# Allegro board BRD-05058-01_B04.brd (continued)
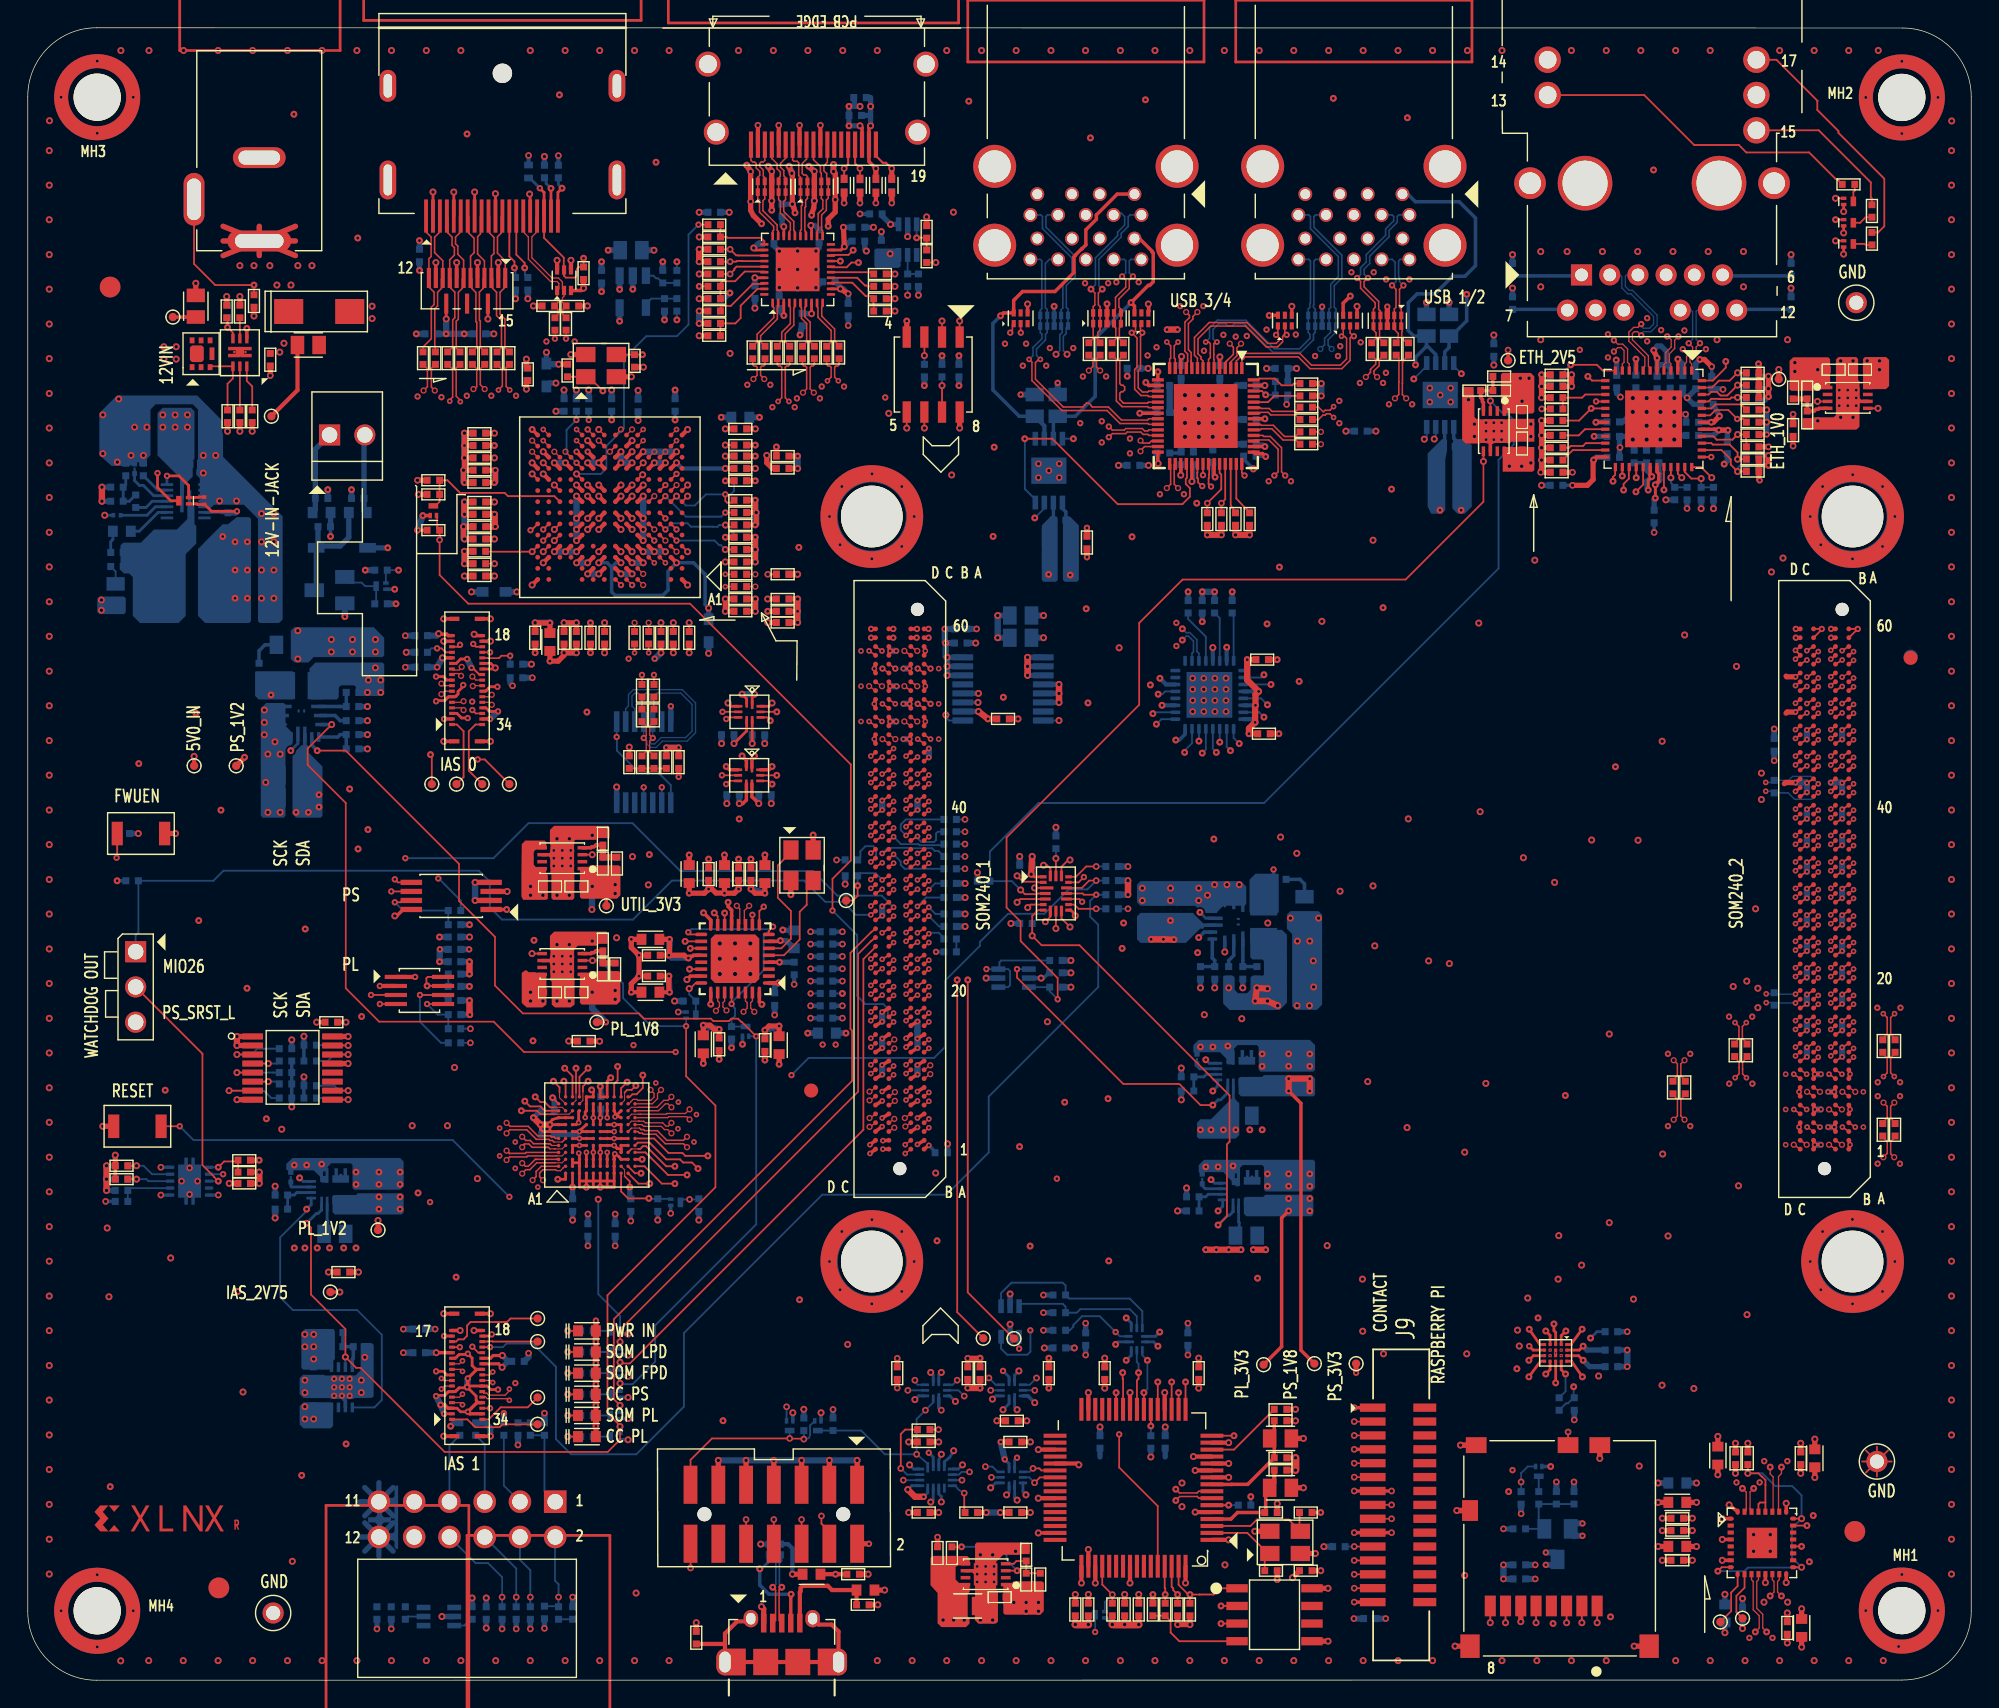
[diagram p0: board, top side]
## Routing (per net, layer and track width the routed paths; a pad name or vN(x,y) marks a point on that pad's centre or on a via; arc(x,y) is an arc through that point) (continued)
PS_3V3_FB: length 3
  BOTTOM w0.254: R1.2 R2.1 87.53,51.83 87.53,51.84 U1.10
PS_3V3_MODE: length 3.1
  BOTTOM w0.254: R4.2 R5.1 85.51,51.83 85.33,52.01 U1.13
PS_3V3_PGOOD: length 25.7
  L12_SIG w0.102: v2(69.06,51.21) 69.66,51.21 70.18,50.69 72.41,50.69 73.18,51.45 74.94,51.45 74.97,51.41 82.28,51.41 v6(84.35,53.48)
  BOTTOM w0.132: U70.3 70,51.29 70,51.7 70.13,51.83 R243.2 ; U70.3 v2(69.06,51.21) ; U70.3 70.62,51.21 70.76,51.07 70.76,50.05 70.62,49.91 U70.1
  BOTTOM w0.254: U1.14 84.74,53.87 v6(84.35,53.48)
PS_3V3_RAMP: length 2
  BOTTOM w0.254: U1.11 86.88,52.2 86.51,51.83 C5.2
PS_3V3_SW: length 8.6
  L12_SIG w0.254: v2(89.74,58.38) 86.66,55.3 v6(84.44,55.3)
  BOTTOM w0.203: v6(84.44,55.3) 84.86,54.87 U1.16
  BOTTOM w0.254: C321.1 v2(89.74,58.38)
PS_ERROR_OUT_M2C: length 31.6
  TOP w0.132: v6(66.95,50.43) 66.95,26.51 TP38.1 ; JA1.B24 v3(64.09,53.15)
  L10_SIG w0.102: v6(66.95,50.43) 66.95,51.24 66.14,52.05 65.24,52.05 65.07,52.22 65.02,52.22 v3(64.09,53.15)
PS_ERROR_STATUS_M2C: length 35.3
  TOP w0.132: JA1.B25 v3(63.27,53.21) ; v6(67.71,50.43) 67.71,27.93 TP39.1
  L10_SIG w0.102: v6(67.71,50.43) 67.71,52.08 65.42,54.37 64.11,54.37 63.72,53.98 63.72,53.66 v3(63.27,53.21)
PS_POR_B: length 187.8
  TOP w0.127: v2(57.97,55.43) 57.97,57.71 59.29,59.03 59.29,65.94 47.71,77.52 31.74,77.52 29.67,79.59 v1(29.67,82.12) R269.2 29.49,82.99 29.49,83.82 Q22.2
  TOP w0.132: JA1.C15 v3(62.37,47.41) ; U19.18 74.46,58.58 74.95,59.07 v4(75.08,59.07)
  L05_SIG w0.102: v4(75.08,59.07) 74.03,60.12 68.01,60.12 67.69,59.8 67.34,59.8 66.78,60.35 60.56,60.35 60.08,59.87 60.08,58.85 60.84,58.09 64.91,58.09 65.34,57.67 65.34,57.41 67.06,55.68 67.06,54.13 67.8,53.39 69.38,53.39 69.48,53.29 69.48,53.27 70.67,52.07 70.67,29.34 72.22,27.79 v2(72.22,25.19)
  L10_SIG w0.102: v4(75.08,59.07) 75.08,55.82 73.73,54.47 73.73,54.45 73.56,54.27 73.56,52.69 69.75,48.89 63.5,48.89 62.79,48.17 62.79,47.82 v3(62.37,47.41)
  L12_SIG w0.102: v2(72.22,25.19) 72.95,25.92 74.6,25.92 75.48,26.8 95.29,26.8 v2(106.96,15.13)
  BOTTOM w0.132: U23.6 70.11,23.88 70.55,23.44 72.01,23.44 72.23,23.66 72.23,25.19 v2(72.22,25.19) ; v3(62.37,47.41) 61.96,47.82 61.96,48.36 61.63,48.69 60.33,48.69 59.75,49.28 59.75,53.65 v2(57.97,55.43)
PS_SRST_C2M_B: length 152.7
  TOP w0.127: J3.14 v1(47.74,8.08)
  TOP w0.132: JA1.C16 v3(62.37,48.04)
  L03_SIG w0.102: v3(62.37,48.04) 61.92,47.59 61.92,47.28 61.11,46.47 61.11,45.43 59.18,43.5 56.64,43.5 56.2,43.07 47.55,43.07 46.28,44.34 44.35,44.34 43.89,43.88 43.89,43.37 44.25,43.02 44.25,42.2 44.96,41.49 44.96,36.55 44,35.6 44,32.38 41.85,30.22 29.43,30.22 26.03,33.62 26.03,41.72 23.8,43.96 19.43,43.96 16,47.39 J1.3 ; v2(74.13,36.12) 74.13,28.1 71.41,25.38 v2(71.41,23.88) 61.36,23.88 58.9,21.42 55.15,21.42 51.03,17.31 51.03,11.37 v1(47.74,8.08)
  L12_SIG w0.102: v2(74.13,36.12) 74.13,39.95 67.38,46.71 63.25,46.71 62.9,47.05 62.9,47.51 v3(62.37,48.04)
  BOTTOM w0.132: U23.4 v2(71.41,23.88)
PWRGD_FPD_M2C: length 38.7
  TOP w0.127: v4(42.67,22.9) 42.75,22.81 43.37,22.81 60.2,39.64 60.2,51.93 61.07,52.81 JA1.D24
  BOTTOM w0.132: Q7.1 v4(42.67,22.9)
PWRGD_LPD_M2C: length 37.3
  TOP w0.127: 60.73,53.21 59.82,52.3 59.82,42.39 42.67,25.24 v4(42.67,24.37)
  TOP w0.132: JA1.D25 60.73,53.21
  BOTTOM w0.132: Q17.1 v4(42.67,24.37)
PWRGD_PL_M2C: length 42.9
  TOP w0.127: v4(42.67,19.8) 42.22,20.24 42.22,26 59.38,43.16 59.38,46.78 59.27,46.9 59.27,52.38 60.73,53.85
  TOP w0.132: 60.73,53.85 JA1.D26
  BOTTOM w0.132: Q9.1 v4(42.67,19.8)
PWROFF_C2M_B: length 145.3
  TOP w0.132: C207.1 v6(16.3,100.47) 13.5,100.47 11.98,102 J12.3 ; JA1.B26 v3(63.27,53.85) ; v4(40.66,59.45) U7.3
  TOP w0.203: Q21.3 10.3,84.94 9.35,85.89 v2(9.35,86.93)
  L03_SIG w0.102: v4(41.1,34.63) 40.69,35.04 40.69,36.13 39.29,37.52 39.29,42.84 39.93,43.47 39.93,58.71 v4(40.66,59.45) ; v2(9.35,86.93) 12.62,90.21 12.62,96.35 14.84,98.57 15.01,98.57 16.3,99.85 v6(16.3,100.47)
  L05_SIG w0.102: v2(9.35,86.93) 9.35,81.62 14.84,76.13 24.55,76.13 24.71,75.96 32.56,75.96 33.25,75.27 34.01,75.27 35.3,73.98 35.3,73.34 36.04,72.61 36.52,72.61 36.76,72.36 36.76,71.88 38.48,70.17 38.48,62.07 40.66,59.88 v4(40.66,59.45) 41.68,58.43 53.95,58.43 56.51,55.87 58.29,55.87 60.34,53.82 60.34,53.08 60.72,52.7 60.72,52.7 60.82,52.59 62.74,52.59 62.89,52.74 62.89,53.46 63.27,53.84 v3(63.27,53.85)
  BOTTOM w0.132: v4(41.1,34.63) 41.1,27.8 42.67,26.23 Q6.1
RPI_ENABLE: length 67
  TOP w0.127: v2(75.95,56.06) 75.76,56.26 U19.13 ; J9.11 v1(95.56,9.63)
  L03_SIG w0.102: v1(95.56,9.63) 96,9.18 98.69,9.18 100.26,10.75 100.26,19.59 97.01,22.85 92.08,22.85 79.22,35.7 79.22,36.74 75.95,40.01 v2(75.95,56.06)
  BOTTOM w0.132: v1(95.56,9.63) 95.55,9.62 R259.2
RPI_I2C_SCK: length 117.4
  TOP w0.127: J9.13 v1(95.56,7.63)
  TOP w0.132: U18.10 v4(23.08,42.46)
  L03_SIG w0.102: v1(95.56,7.63) 91.1,3.17 77.36,3.17 77.21,3.02 75.83,3.02 75.37,3.47 51.15,3.47 45.98,8.65 45.98,9.94 40.39,15.53 22.51,15.53 18.44,19.6 18.44,37.61 19.71,38.88 20.83,38.88 23.54,41.59 23.54,41.99 v4(23.08,42.46)
  BOTTOM w0.132: R64.2 22.08,42.81 22.44,42.46 v4(23.08,42.46)
RPI_I2C_SDA: length 117.6
  TOP w0.127: J9.14 v1(95.56,6.63)
  TOP w0.132: U18.9 v4(23.08,41.81)
  L03_SIG w0.102: v1(95.56,6.63) 91.49,2.56 50.92,2.56 45.04,8.44 45.04,8.95 39.4,14.59 22.2,14.59 17.17,19.62 17.17,37.23 19.45,39.51 20.78,39.51 v4(23.08,41.81)
  BOTTOM w0.132: R59.2 21.24,41.92 21.35,41.81 v4(23.08,41.81)
SD_RESET_B: length 69.4
  TOP w0.132: v4(73.18,58.69) 73.43,58.69 73.66,58.45 U19.20
  L03_SIG w0.102: v1(107.58,14.28) 106.44,14.28 105.29,15.43 105.29,18.47 91.83,31.93 85.58,31.93 79.76,37.75 79.76,56.75 79.45,57.06 78.68,57.06 77.66,58.08 76.58,58.08 76.32,58.34 73.52,58.34 v4(73.18,58.69)
  BOTTOM w0.132: Q15.1 108.05,15.39 107.58,14.91 v1(107.58,14.28) R273.2
SDIO1_CLK: length 29.6
  TOP w0.132: J11.5 v4(108.65,4.14)
  L02_GND w0.127: v6(107.27,22.43) 108.72,22.43 v7(109.67,23.37)
  L03_SIG w0.102: v6(107.27,22.43) 107.27,15.96 108.61,14.62 108.61,11.67 104.52,7.58 104.52,3.75 104.93,3.34 107.85,3.34 v4(108.65,4.14)
SDIO1_CMD: length 28.5
  TOP w0.132: J11.3 v4(110.85,4.14)
  TOP w0.203: U38.C4 v6(110.07,21.41)
  L03_SIG w0.102: v6(110.07,21.41) 113.8,17.68 113.8,12.1 113.9,12 114.1,12 114.2,11.9 114.2,11.49 114.1,11.39 113.9,11.39 113.8,11.29 113.8,10.88 113.9,10.78 114.1,10.78 114.2,10.68 114.2,10.27 114.1,10.17 113.9,10.17 113.8,10.07 113.8,9.67 113.9,9.56 114.1,9.56 114.2,9.46 114.2,9.06 114.1,8.95 113.9,8.95 113.8,8.85 113.8,8.45 113.9,8.34 114.1,8.34 114.2,8.24 114.2,7.84 114.1,7.73 113.9,7.73 113.8,7.63 113.8,7.09 113.09,6.38 112.95,6.38 112.41,6.92 112.27,6.92 111.98,6.64 111.98,6.49 112.52,5.95 112.52,5.81 112.23,5.52 112.09,5.52 111.55,6.06 111.4,6.06 111.12,5.77 111.12,5.63 111.66,5.09 111.66,4.95 v4(110.85,4.14)
SDIO1_DATA0: length 29.4
  TOP w0.132: J11.7 v4(106.45,4.14)
  TOP w0.203: U38.D4 109.67,22.36 v6(109.35,22.05)
  L03_SIG w0.102: v4(106.45,4.14) 107.68,5.37 107.82,5.37 108.16,5.04 108.3,5.04 108.59,5.32 108.59,5.47 108.25,5.8 108.25,5.94 108.54,6.23 108.69,6.23 109.02,5.9 109.16,5.9 109.45,6.18 109.45,6.33 109.12,6.66 109.12,6.8 109.4,7.09 109.55,7.09 109.88,6.76 110.02,6.76 110.31,7.05 110.31,7.19 109.98,7.52 109.98,7.67 110.62,8.31 110.62,8.67 110.73,8.77 111.22,8.77 111.32,8.87 111.32,9.28 111.22,9.38 110.73,9.38 110.62,9.48 110.62,10.72 112.91,13 112.91,14.97 108.64,19.24 108.64,21.33 v6(109.35,22.05)
SDIO1_DATA1: length 29.7
  TOP w0.132: J11.8 v4(105.35,4.14)
  TOP w0.203: U38.E4 108.97,22.97 v6(108.14,21.85)
  L03_SIG w0.102: v6(108.14,21.85) 108.14,16.36 109.4,15.1 109.4,13.47 109.5,13.37 111.74,13.37 111.84,13.27 111.84,12.87 111.74,12.76 109.5,12.76 109.4,12.66 109.4,11.47 108.76,10.82 108.76,10.68 109.1,10.34 109.1,10.2 108.81,9.91 108.67,9.91 108.33,10.25 108.18,10.25 107.9,9.96 107.9,9.82 108.23,9.48 108.23,9.34 107.95,9.05 107.8,9.05 107.46,9.39 107.32,9.39 106.89,8.95 106.89,5.67 v4(105.35,4.14)
SDIO1_DATA2: length 29.3
  TOP w0.132: J11.1 v4(113.05,4.14)
  TOP w0.203: v6(111.99,21.85) 111.21,22.97 U38.A4
  L03_SIG w0.102: v4(113.05,4.14) 118.46,4.14 119.23,4.91 119.23,14.61 v6(111.99,21.85)
SDIO1_DATA3: length 31.7
  TOP w0.132: J11.2 v4(111.95,4.14)
  TOP w0.203: v6(110.78,22.05) 110.47,22.36 U38.B4
  L03_SIG w0.102: v4(111.95,4.14) 114.24,6.43 114.38,6.43 115.5,5.31 115.65,5.31 115.93,5.59 115.93,5.74 114.81,6.86 114.81,7 115.14,7.33 115.14,9.06 115.24,9.16 115.65,9.16 115.75,9.26 115.75,9.66 115.65,9.77 115.24,9.77 115.14,9.87 115.14,10.27 115.24,10.38 115.65,10.38 115.75,10.48 115.75,10.88 115.65,10.99 115.24,10.99 115.14,11.09 115.14,11.49 115.24,11.6 115.65,11.6 115.75,11.7 115.75,12.1 115.65,12.2 115.24,12.2 115.14,12.31 115.14,17.94 111.57,21.52 111.57,21.75 111.26,22.05 v6(110.78,22.05)
  BOTTOM w0.132: R247.2 110.78,20.8 v6(110.78,22.05)
SDIO_CLK_FB_NC: length 1.2
  TOP w0.203: U38.E2 108.44,23.77 v2(108.16,24.06)
SDIO_VCCB: length 4.9
  L02_GND w0.279: v7(110.47,23.37) 111.36,22.48 v6(111.36,21.14)
  BOTTOM w0.132: R247.1 110.82,19.94 110.96,19.94 111.35,20.34 C178.1 111.36,20.39 v6(111.36,21.14)
SDIO_VDD: length 4.6
  BOTTOM w0.305: 110.12,8.7 Q14.3
  BOTTOM w0.381: C368.2 v1(106.31,10.9)
  BOTTOM w0.432: v2(109.35,9.2) 109.99,9.2 109.99,8.7 110.12,8.7 110.12,8.31 v2(109.35,8.31) ; C177.1 v1(108.59,8.31) ; C369.1 v1(108.59,7.29)
SI5332_SCLK_NC: length 1.4
  TOP w0.127: U17.9 52.7,55.39 v2(53.02,55.7)
SI5332_SDA_NC: length 0.7
  TOP w0.127: U17.10 v2(52.2,55.12)
SI5332_VCCO2_NC: length 0.6
  TOP w0.132: U40.20 v6(127.78,9.64)
SI5332_VCCO3_NC: length 1
  TOP w0.132: U40.23 v6(128.17,11.14)
SI5332_XA: length 7.5
  TOP w0.127: X3.3 56.12,57.13 56.12,55.85 55.61,55.34 55.61,53.34 54.47,52.21 U17.5 53.2,52.21
SI5332_XB: length 9
  TOP w0.127: X3.1 54.98,59.62 54.03,58.68 54.03,56.34 54.97,55.4 54.97,53.39 54.29,52.71 U17.6
SOM240_1_C45_NC: length 0.4
  TOP w0.132: JA1.C45 v3(62.37,66.46)
SOM240_1_D46_NC: length 0.4
  TOP w0.132: JA1.D46 v3(60.73,66.55)
SOM_5V0: length 13.5
  TOP w0.254: JA1.A59 v2(64.89,75.07) ; JA1.C59 v2(62.35,75.07) ; JA1.A60 v2(64.89,75.71) ; JA1.B60 v2(64.06,75.71) ; JA1.C60 v2(62.35,75.71) ; JA1.D60 v2(60.75,75.71)
  BOTTOM w0.381: U14.16 v4(66.22,73.66) ; U14.15 v4(66.22,73.01) ; U14.14 v4(66.22,72.36)
  BOTTOM w0.432: C324.1 v4(66.13,74.69) ; C323.1 v1(66.06,75.71) ; C354.1 v4(69.87,75.07) ; C353.1 v4(69.87,76.67)
  BOTTOM w0.457: v1(66.06,75.71) 66.06,74.75 v4(66.13,74.69) 66.13,73.76 v4(66.22,73.66) v4(66.22,73.01) v4(66.22,72.36) ; v4(69.87,76.67) v4(69.87,75.07)
SOM_DP_AUX_IN_LS: length 8.5
  TOP w0.127: U28.4 v2(50.01,65.17)
  L05_SIG w0.102: v2(50.01,65.17) 48.43,65.17 48.15,65.45 45.52,65.45 v2(44.37,64.3)
  BOTTOM w0.132: U29.4 v2(44.37,64.3)
SOM_DP_AUX_OUT_LS: length 6.8
  TOP w0.127: v2(50.32,64.53) 50.55,64.77 U28.5
  L05_SIG w0.102: v2(50.32,64.53) 48.38,64.53 48.15,64.3 v2(45.67,64.3)
  BOTTOM w0.132: U29.2 v2(45.67,64.3)
SOM_DP_HPD_LS: length 17.8
  TOP w0.127: U30.4 v2(50.05,69.74)
  TOP w0.132: U27.F4 v5(45.13,82.87) ; R174.1 v4(45.62,76.15)
  L03_SIG w0.102: v2(50.05,69.74) 47.04,72.75 47.04,74.73 v4(45.62,76.15) 45.62,79.01 44.73,79.9 44.73,82.46 v5(45.13,82.87)
SOM_DP_OE_LS: length 17.6
  TOP w0.127: v2(50.32,69.22) 50.32,69.22 50.32,69.23 50.42,69.34 U30.5
  L05_SIG w0.102: v2(50.32,69.22) 43.72,69.22 v2(42.42,67.93)
  BOTTOM w0.132: U29.1 46.32,64.46 45.36,65.42 43.97,65.42 42.44,66.94 42.44,67.91 v2(42.42,67.93) U29.8
STDP4320_AVDD12_OSC: length 3.8
  TOP w0.132: U27.L13 v4(37.13,87.67)
  TOP w0.305: U27.M6 v4(43.53,88.47)
  TOP w0.381: C258.1 v4(33.62,89.8)
  BOTTOM w0.381: v4(38.05,93.41) 37.6,93.41 L12.1 ; C257.1 v4(43.97,90.72)
  BOTTOM w0.432: C258.1 v4(33.62,89.8)
STDP4320_DVDD25_SM: length 16.1
  TOP w0.127: v1(53.31,79.64) 53.31,79.64 ; U27.K5 44.28,86.81 v4(44.3,86.81)
  TOP w0.132: C260.1 53.31,79.64
  L03_SIG w0.102: v4(44.3,86.81) 44.31,86.81 45.88,86.81 46.21,86.48 47.95,86.48 49.66,84.78 49.66,83.13 50.03,82.75 52.65,82.75 53.31,82.09 53.31,79.65 v1(53.31,79.64)
  BOTTOM w0.132: v1(53.31,79.64) C259.1
STDP4320_GPIO5_HDMI_OE_B: length 25.2
  TOP w0.132: U27.K10 v4(39.53,86.87) ; R185.1 v2(48.32,104.82)
  BOTTOM w0.132: v4(39.53,86.87) 41.29,86.87 41.68,87.26 41.68,88.88 42.95,90.15 42.95,95.18 44.56,96.79 46.76,96.79 47.6,97.63 47.6,104.1 v2(48.32,104.82)
STDP4320_GPIO6_HDMI_DDC_EN: length 44.2
  TOP w0.132: U27.E13 v2(37.13,82.07) ; R186.1 v6(48.37,100.38)
  L10_SIG w0.102: v6(48.37,100.38) 48.37,100.55 47.65,101.27 47.65,102.48 45.65,104.48 33.8,104.48 31.77,102.46 31.77,97.42 32.28,96.92 32.28,86.68 33.57,85.39 34.35,85.39 36.73,83.01 36.73,82.48 v2(37.13,82.07)
STDP4320_GPIO7_HDMI_PWR_ON: length 47
  TOP w0.132: v2(36.22,82.82) 36.28,82.82 U27.F14 ; R182.1 v4(65.41,102.1)
  L10_SIG w0.102: v4(65.41,102.1) 64.79,101.48 64.79,96.41 57.15,88.76 57.15,84.68 52.56,80.09 44.18,80.09 43.91,80.36 43.91,80.63 43.69,80.85 39.38,80.85 39.2,80.67 37.99,80.67 37.56,81.11 37.56,81.47 37.36,81.66 36.97,81.66 36.94,81.69 36.84,81.69 36.22,82.31 v2(36.22,82.82)
STDP4320_GPIO8_HDMI_PWR_FLT_B: length 39.4
  TOP w0.132: U27.E12 v4(37.93,82.07)
  L10_SIG w0.102: v4(63.38,99.74) 62.92,99.28 62.92,95.55 56.03,88.66 56.03,85.22 52.71,81.91 49.29,81.91 48.18,80.8 47.4,80.8 47.32,80.88 46.55,80.88 46.31,81.11 46.31,81.43 46.06,81.67 38.33,81.67 v4(37.93,82.07)
  BOTTOM w0.132: R183.1 v4(63.38,99.74)
STDP4320_GPIO10_DP_PWR_EN: length 36.3
  TOP w0.132: U27.F12 v4(37.93,82.87)
  L10_SIG w0.102: v6(46.76,97.97) 42.37,102.36 41.74,102.36 41.09,103.01 35.76,103.01 34.53,101.78 34.53,97.21 35.41,96.33 35.41,92.89 35.85,92.46 35.85,86.24 37.93,84.15 v4(37.93,82.87)
  BOTTOM w0.132: R197.1 v6(46.76,97.97)
STDP4320_GPIO11_DP_PWR_FAULT_B: length 37.6
  TOP w0.132: U27.F13 v2(37.13,82.87)
  L10_SIG w0.102: v6(46.76,102.15) 44.99,103.92 34.97,103.92 32.66,101.61 32.66,97.17 32.92,96.92 32.92,92.21 34.57,90.56 34.57,86.1 37.13,83.53 v2(37.13,82.87)
  BOTTOM w0.132: R198.1 v6(46.76,102.15)
STDP4320_GPIO12_DP_TX1_CONFIG1: length 26.8
  TOP w0.132: U27.H1 v4(47.53,85.27) ; v6(35.06,101.71) 35.06,102.16 34.69,102.53 J6.13
  L10_SIG w0.102: v4(47.53,85.27) 45.51,87.29 45.51,90.44 39.91,96.05 39.91,96.86 v6(35.06,101.71)
  BOTTOM w0.132: v6(35.06,101.71) 35.06,101.55 35.14,101.48 R203.1
STDP4320_GPIO13_DP_TX1_CONFIG2: length 31.9
  TOP w0.132: v6(35.8,101.71) 35.8,102.06 35.19,102.66 J6.14 ; U27.G3 v2(45.93,83.67)
  L10_SIG w0.102: v6(35.8,101.71) 36.47,101.71 41.37,96.81 43.94,96.81 48.19,92.57 48.19,84.95 46.9,83.67 v2(45.93,83.67)
  BOTTOM w0.132: v6(35.8,101.71) 35.82,101.68 35.82,101.22 R202.1
STDP4320_HOST_IRQ_OUT: length 7.4
  TOP w0.127: R146.2 50.7,84.8 50.38,84.8 50.25,84.92 v2(50.25,85.4)
  TOP w0.132: U27.H2 v4(46.73,85.27)
  BOTTOM w0.132: v4(46.73,85.27) 47.41,84.6 48.05,84.6 48.86,85.4 v2(50.25,85.4) 50.64,85.4 50.88,85.64 R154.1
STDP4320_RX0_LN0_N: length 5.6
  TOP w0.094: U27.B5 v5(44.33,79.67) ; C212.2 v5(44.73,76.15)
  L03_SIG w0.112: v5(44.73,76.15) 44.45,76.43 44.45,77.48 45.13,78.16 45.13,79.14 44.87,79.4 44.61,79.4 v5(44.33,79.67)
STDP4320_RX0_LN0_P: length 5.6
  TOP w0.094: U27.A5 v5(44.33,78.87) ; C211.2 v5(43.71,76.15)
  L03_SIG w0.112: v5(43.71,76.15) 44.08,76.15 44.19,76.27 44.19,77.59 44.88,78.27 44.88,79.03 44.76,79.14 44.45,79.14 44.33,79.03 v5(44.33,78.87)
STDP4320_RX0_LN1_N: length 6.8
  TOP w0.094: U27.C3 v3(45.93,80.47) ; C214.2 v3(50.25,79.64)
  L12_SIG w0.112: v3(45.93,80.47) 45.66,80.2 45.66,80.04 45.77,79.93 47.85,79.93 48.45,79.33 49.93,79.33 v3(50.25,79.64)
STDP4320_RX0_LN1_P: length 7.2
  TOP w0.094: U27.C4 v3(45.13,80.47) ; C213.2 v3(50.25,78.75)
  L12_SIG w0.112: v3(45.13,80.47) 45.41,80.2 45.41,79.93 45.67,79.67 47.74,79.67 48.34,79.07 49.93,79.07 v3(50.25,78.75)
STDP4320_SPDIF_OUT0: length 5
  TOP w0.132: R151.1 v4(50.25,81.42) ; U27.E2 v2(46.73,82.07)
  BOTTOM w0.132: v4(50.25,81.42) 49.93,81.74 49.81,81.74 49.48,82.07 v2(46.73,82.07)
STDP4320_SPDIF_OUT1: length 7.2
  TOP w0.132: R145.2 50.88,83.19 50.75,83.06 50.39,83.06 v4(50.26,83.19) ; U27.F3 v2(45.93,82.87)
  BOTTOM w0.132: 50.88,82.19 R153.1 50.88,82.57 v4(50.26,83.19) 49.82,83.19 49.69,83.06 49.37,83.06 49.36,83.07 47.78,83.07 47.53,83.32 46.38,83.32 v2(45.93,82.87)
STDP4320_SPI_CLK: length 24.3
  TOP w0.127: U31.6 v4(64.59,90.17)
  TOP w0.132: U27.H3 v2(45.93,85.27) ; R141.2 v2(50.25,84.09)
  L03_SIG w0.102: v2(50.25,84.09) 51.89,85.72 55.76,85.72 59.1,89.07 63.49,89.07 v4(64.59,90.17)
  BOTTOM w0.132: v2(45.93,85.27) 47.41,83.79 49.96,83.79 v2(50.25,84.09)
STDP4320_SPI_CS_B: length 33
  TOP w0.127: U31.1 v4(67.13,97.88)
  TOP w0.132: U27.J3 v2(45.93,86.07)
  L12_SIG w0.102: v4(67.13,97.88) 66.46,97.22 66.46,91.09 64.31,88.94 59.97,88.94 55.59,84.56 46.79,84.56 46.33,85.02 46.33,85.67 v2(45.93,86.07)
STDP4320_SPI_DI: length 28.9
  TOP w0.127: U31.2 v4(65.86,97.88)
  TOP w0.132: U27.J1 v4(47.53,86.07)
  L12_SIG w0.102: v4(47.53,86.07) 49.43,86.07 49.58,85.92 51.76,85.92 52.07,85.61 55.83,85.61 59.67,89.45 63.56,89.45 63.95,89.85 63.95,90.42 65.17,91.64 65.17,97.2 v4(65.86,97.88)
STDP4320_SPI_DO: length 20.5
  TOP w0.127: U31.5 v4(63.32,90.17)
  TOP w0.132: U27.K2 v2(46.73,86.87)
  L12_SIG w0.102: v4(63.32,90.17) 59.4,90.17 55.1,85.87 52.32,85.87 51.36,86.83 46.77,86.83 v2(46.73,86.87)
STDP4320_TCLK: length 10.4
  TOP w0.127: U27.N7 v5(41.93,88.47)
  TOP w0.132: v6(44.28,95.46) C216.2 42.41,95.46 X4.3
  L03_SIG w0.102: v5(41.93,88.47) 42.06,88.6 42.06,90.04 42.49,90.47 42.49,93.68 v6(44.28,95.46)
STDP4320_UART_RX: length 95.8
  TOP w0.132: U27.J2 v5(46.73,86.07)
  L03_SIG w0.102: v5(46.73,86.07) 47.13,85.67 47.77,85.67 48.79,84.65 48.79,82.44 49.3,81.93 49.3,78.12 49.68,77.74 49.68,75.26 52.88,72.06 52.88,69.49 51.61,68.22 51.61,67.48 50.97,66.85 50.97,64.41 46.88,60.32 46.88,49.78 48.13,48.54 48.13,46.93 48.6,46.46 50.49,46.46 50.67,46.65 51.6,46.65 52.17,46.09 52.2,46.09 52.31,45.98 52.64,45.98 52.75,46.09 56.43,46.09 56.73,46.38 57.59,46.38 v2(58.2,45.77)
  L05_SIG w0.102: v1(68.98,15.38) 68.52,15.38 67.91,15.99 66.64,15.99 66.28,16.35 66.28,16.41 65.95,16.74 65.11,16.74 64.02,17.83 63.61,17.83 57.15,24.29 57.15,38.19 58.69,39.72 58.69,45.29 v2(58.2,45.77)
  BOTTOM w0.132: U65.5 69.87,15.01 69.49,15.38 v1(68.98,15.38)
STDP4320_UART_TX: length 96.6
  TOP w0.132: U27.H4 v5(45.13,85.27)
  L03_SIG w0.102: v2(57.26,45.77) 56.75,45.77 56.59,45.61 52.32,45.61 51.74,46.19 50.62,46.19 50.54,46.12 47.25,46.12 45.67,47.7 45.67,60.14 48.79,63.27 48.79,66.85 50.97,69.04 50.97,72.99 48.54,75.43 48.54,76.83 48.03,77.34 48.03,82.59 46.06,84.56 45.84,84.56 v5(45.13,85.27)
  L05_SIG w0.102: v1(69.42,14.61) 68.92,14.61 68.27,13.96 65.66,13.96 60.81,18.82 60.81,19.95 56.54,24.22 56.54,38.87 57.87,40.2 57.87,45.16 v2(57.26,45.77)
  BOTTOM w0.132: U65.4 v1(69.42,14.61)
STDP4320_XTAL: length 7.4
  TOP w0.132: v6(41.43,92.85) 40.41,93.87 X4.1 C215.2 ; U27.N8 v5(41.13,89.27)
  L03_SIG w0.102: v5(41.13,89.27) 41.59,89.72 41.59,90.52 41.43,90.68 v6(41.43,92.85)
USB3320_D_N: length 25.4
  TOP w0.114: U43.46 88.97,89.64 89.04,89.57 89.51,89.57 90.32,88.76 90.32,87.02 v2(90.58,86.76)
  L10_SIG w0.112: v6(83.17,75.72) 83.45,75.44 85.68,75.44 88.67,78.42 88.67,86.84 89.38,87.54 90.06,87.54 90.32,87.28 90.32,87.02 v2(90.58,86.76)
  BOTTOM w0.114: v6(83.17,75.72) 83.45,75.44 83.72,75.44 84.22,74.93 84.22,74.08 84.37,73.94 U37.19
USB3320_D_P: length 25.4
  TOP w0.114: U43.45 88.38,89.31 89.4,89.31 90.07,88.65 90.07,87.02 v2(89.8,86.76)
  L10_SIG w0.112: v2(89.8,86.76) 89.84,86.76 90.07,86.98 90.07,87.18 89.96,87.29 89.48,87.29 88.92,86.73 88.92,85.8 89.04,85.69 89.27,85.69 89.38,85.58 89.38,85.36 89.27,85.25 89.04,85.25 88.92,85.13 88.92,84.91 89.04,84.8 89.24,84.8 89.36,84.69 89.36,84.46 89.24,84.35 89.04,84.35 88.92,84.24 88.92,78.32 85.79,75.18 83.45,75.18 v6(83.17,74.91)
  BOTTOM w0.114: v6(83.17,74.91) 83.45,75.19 83.61,75.19 83.97,74.83 83.97,74.06 83.87,73.95 U37.18
USB_ATEST: length 3.5
  TOP w0.132: R222.1 89.79,92.49 89.35,92.04 U43.52
USB_CFG_BC_EN: length 3.6
  TOP w0.132: U43.40 86.66,84.61 R219.1
USB_CFG_NON_REM: length 3.9
  TOP w0.132: U43.41 87.06,85.1 R220.1
USB_D1_N: length 25.1
  TOP w0.114: U43.2 87.06,95 87.34,95.28 87.34,95.32 87.57,95.55 91.63,95.55 92.48,94.71 94.56,94.71 95,95.15 95,96.63 94.86,96.77 94.66,96.77 v3(94.64,96.79) 94.64,96.79 94.76,96.9 X6.1
  L05_SIG w0.112: v3(94.64,96.79) 94.64,96.79 94.89,97.04 94.89,97.93 93.75,99.07 93.75,99.35 92.43,100.67 92.43,103.3 92.68,103.55 92.68,103.56 94.02,104.89 95.29,104.89 95.65,104.53 95.65,103.93 95.77,103.82 U44.11
USB_D1_P: length 25.2
  TOP w0.114: X6.2 95.26,97.02 95.49,96.79 v2(95.53,96.79) 95.51,96.77 95.37,96.77 95.26,96.66 95.26,95.05 94.66,94.45 92.37,94.45 91.52,95.3 87.67,95.3 87.59,95.22 87.59,95.18 87.46,95.04 U43.1
  L05_SIG w0.112: v2(95.53,96.79) 95.53,96.79 95.37,96.79 95.15,97.01 95.15,98.04 94,99.18 94,99.46 93.52,99.94 93.52,100.1 93.75,100.33 93.75,100.49 93.62,100.63 93.41,100.63 93.2,100.42 93.04,100.42 92.68,100.78 92.68,103.19 92.93,103.44 92.93,103.45 94.12,104.64 95.19,104.64 95.4,104.42 95.4,103.93 95.29,103.82 U44.12
USB_D2_N: length 33.6
  TOP w0.114: X5.1 90.06,97.02 v2(89.92,96.88) 90.14,96.67 90.14,96.48 89.93,96.27 89.32,96.27 87.82,97.77 85.11,97.77 84.05,96.71 84.05,95.41 84.26,95.2 U43.9
  L05_SIG w0.112: v2(89.92,96.88) 90.18,97.14 90.18,99.15 88.95,100.38 87.42,100.38 86.79,101.01 86.79,104.57 88.18,105.96 89.54,105.96 92.43,108.85 94.77,108.85 95.65,107.96 95.65,107.13 95.77,107.02 U44.2
USB_D2_P: length 33.6
  TOP w0.114: X5.2 90.56,97.01 v2(90.69,96.88) 90.51,96.88 90.39,96.77 90.39,96.38 90.03,96.02 89.31,96.02 89.31,96.02 89.21,96.02 87.72,97.52 85.22,97.52 84.3,96.6 84.3,95.52 84.51,95.3 84.51,95.15 84.66,95.01 U43.8
  L05_SIG w0.112: v2(90.69,96.88) 90.43,97.14 90.43,99.25 89.05,100.63 87.53,100.63 87.04,101.12 87.04,104.46 88.29,105.71 89.64,105.71 92.53,108.6 93.71,108.6 93.83,108.49 93.83,108.25 93.94,108.14 94.16,108.14 94.27,108.25 94.27,108.49 94.38,108.6 94.66,108.6 95.4,107.86 95.4,107.13 95.29,107.02 U44.3
USB_D3_N: length 19.9
  TOP w0.112: 79.6,96.97 v2(79.53,97.04)
  TOP w0.114: v2(79.53,97.04) 79.69,97.04 79.8,97.16 79.8,97.61 X8.1 ; 79.6,96.97 79.91,96.66 79.91,94.56 79.74,94.4 79.74,92.97 80.19,92.51 80.68,92.51 80.75,92.44 U43.18
  L05_SIG w0.112: U46.11 76.46,103.82 76.35,103.71 76.35,103.34 75.98,102.97 75.95,102.97 75.44,102.46 75.44,100.25 75.55,100.14 75.58,100.14 75.72,100 75.72,99.84 75.58,99.69 75.55,99.69 75.44,99.58 75.44,98.29 76.51,97.22 78.64,97.22 79.45,96.41 79.61,96.41 79.82,96.62 79.82,96.78 79.55,97.04 v2(79.53,97.04)
USB_D3_P: length 19.8
  TOP w0.112: 80.29,96.92 v2(80.29,97.04)
  TOP w0.114: X8.2 80.16,97.63 80.16,97.16 80.27,97.04 v2(80.29,97.04) ; U43.17 80.75,92.84 80.68,92.77 80.3,92.77 79.99,93.07 79.99,94.29 80.16,94.46 80.16,96.77 80.15,96.78 80.29,96.92
  L05_SIG w0.112: U46.12 75.99,103.82 76.1,103.71 76.1,103.44 75.88,103.23 75.85,103.23 75.18,102.56 75.18,98.19 76.4,96.97 78.53,96.97 79.34,96.15 79.71,96.15 80.11,96.55 80.11,96.86 v2(80.29,97.04)
USB_D4_N: length 33.1
  TOP w0.112: U43.25 80.76,89.64 80.69,89.72 80.35,89.72 80.18,89.88 79.2,89.88 79.09,89.77 78.13,89.77 v2(77.87,89.52)
  TOP w0.114: X7.2 71.52,97.25 71.54,97.24 v2(71.54,97.04)
  L03_SIG w0.112: U46.2 76.46,107.02 76.35,106.91 76.35,106.57 75.31,105.53 75.31,105.12 74.27,104.08 74.27,103.62 73.43,102.78 73.43,101.59 71.28,99.44 71.28,97.3 v2(71.54,97.04)
  L05_SIG w0.112: v2(77.87,89.52) 78.13,89.77 78.51,89.77 78.8,90.07 78.8,95.05 77.27,96.59 73.36,96.59 72.62,95.85 71.73,95.85 71.28,96.29 71.28,96.79 v2(71.54,97.04)
USB_D4_P: length 33.2
  TOP w0.112: v2(77.87,90.28) 78.13,90.02 78.98,90.02 79.1,90.14 80.29,90.14 80.45,89.97 80.69,89.97 80.76,90.04 U43.24
  TOP w0.114: v2(70.78,97.04) 70.9,97.16 70.9,97.2 70.93,97.24 70.93,97.6 X7.1
  L03_SIG w0.112: U46.3 75.99,107.02 76.1,106.91 76.1,106.67 75.06,105.63 75.06,105.22 74.01,104.18 74.01,103.73 73.18,102.89 73.18,101.69 71.03,99.55 71.03,97.3 v2(70.78,97.04)
  L05_SIG w0.112: v2(77.87,90.28) 78.13,90.03 78.4,90.03 78.55,90.17 78.55,90.63 78.44,90.74 78.32,90.74 78.21,90.85 78.21,91.08 78.32,91.19 78.44,91.19 78.55,91.3 78.55,94.94 77.16,96.33 73.46,96.33 72.73,95.6 71.62,95.6 71.03,96.19 71.03,96.79 v2(70.78,97.04)
USB_HUB_CLK_IN: length 80.4
  TOP w0.132: v6(89.18,92.57) 88.9,92.84 U43.54 ; U17.14 v6(50.2,55.25)
  L12_SIG w0.102: v6(50.2,55.25) 50.2,55.62 49.66,56.17 49.66,60.11 49.13,60.64 49.13,67.22 47.07,69.28 45.95,69.28 42.89,72.34 42.89,74.06 43.59,74.76 58.97,74.76 76.17,91.96 81.79,91.96 82.96,93.13 87.68,93.13 88.25,92.57 v6(89.18,92.57)
  BOTTOM w0.132: v6(89.18,92.57) 89.86,92.57 R271.1 R270.1
USB_HUB_RESET_B: length 51.2
  TOP w0.127: U43.42 87.46,86.95 v2(87.65,86.76) ; v1(76.97,58.6) 76.25,58.6 75.51,57.86 U19.17
  L10_SIG w0.102: v2(87.65,86.76) 87.65,84.22 87.5,84.07 87.5,82.29 85.62,80.41 84.59,80.41 82.07,77.89 82.07,74.31 83.47,72.91 89.69,72.91 90.83,71.77 90.83,67.53 81.48,58.18 77.38,58.18 v1(76.97,58.6)
  BOTTOM w0.132: R218.2 v1(76.97,58.6)
USB_HUB_SMCLK: length 92.7
  TOP w0.127: R217.2 v1(84.97,84.76)
  TOP w0.132: U43.38 85.86,86.94 85.98,86.82 85.98,85.77 v1(84.97,84.76)
  L10_SIG w0.102: v1(84.97,84.76) 79.38,79.17 49.39,79.17 49.31,79.25 46.4,79.25 42.26,75.11 41.03,75.11 40.01,74.09 40.01,73.36 32.57,65.91 32.49,65.91 24.82,58.24 24.82,53.5 25.99,52.33 27.29,52.33 30.29,49.32 30.29,46.92 31.31,45.9 v1(31.89,45.9)